# Altium PCB BEAGLEPLAYV020_220915.brd.PcbDoc (part 3 of 12)
Units mm, origin at the board's own origin, x right, y up, seen from the top; angles counter-clockwise.
Board outline 80 x 80 mm, 8 copper layers (TOP, LYR2_GND, LYR3, LAY4_PWR1, LAY5_PWR2, LAY6, LYR7_GND, BOTTOM), stack 1.545 mm thick; 782 components, 546 nets, 2864 pads, 2056 vias.
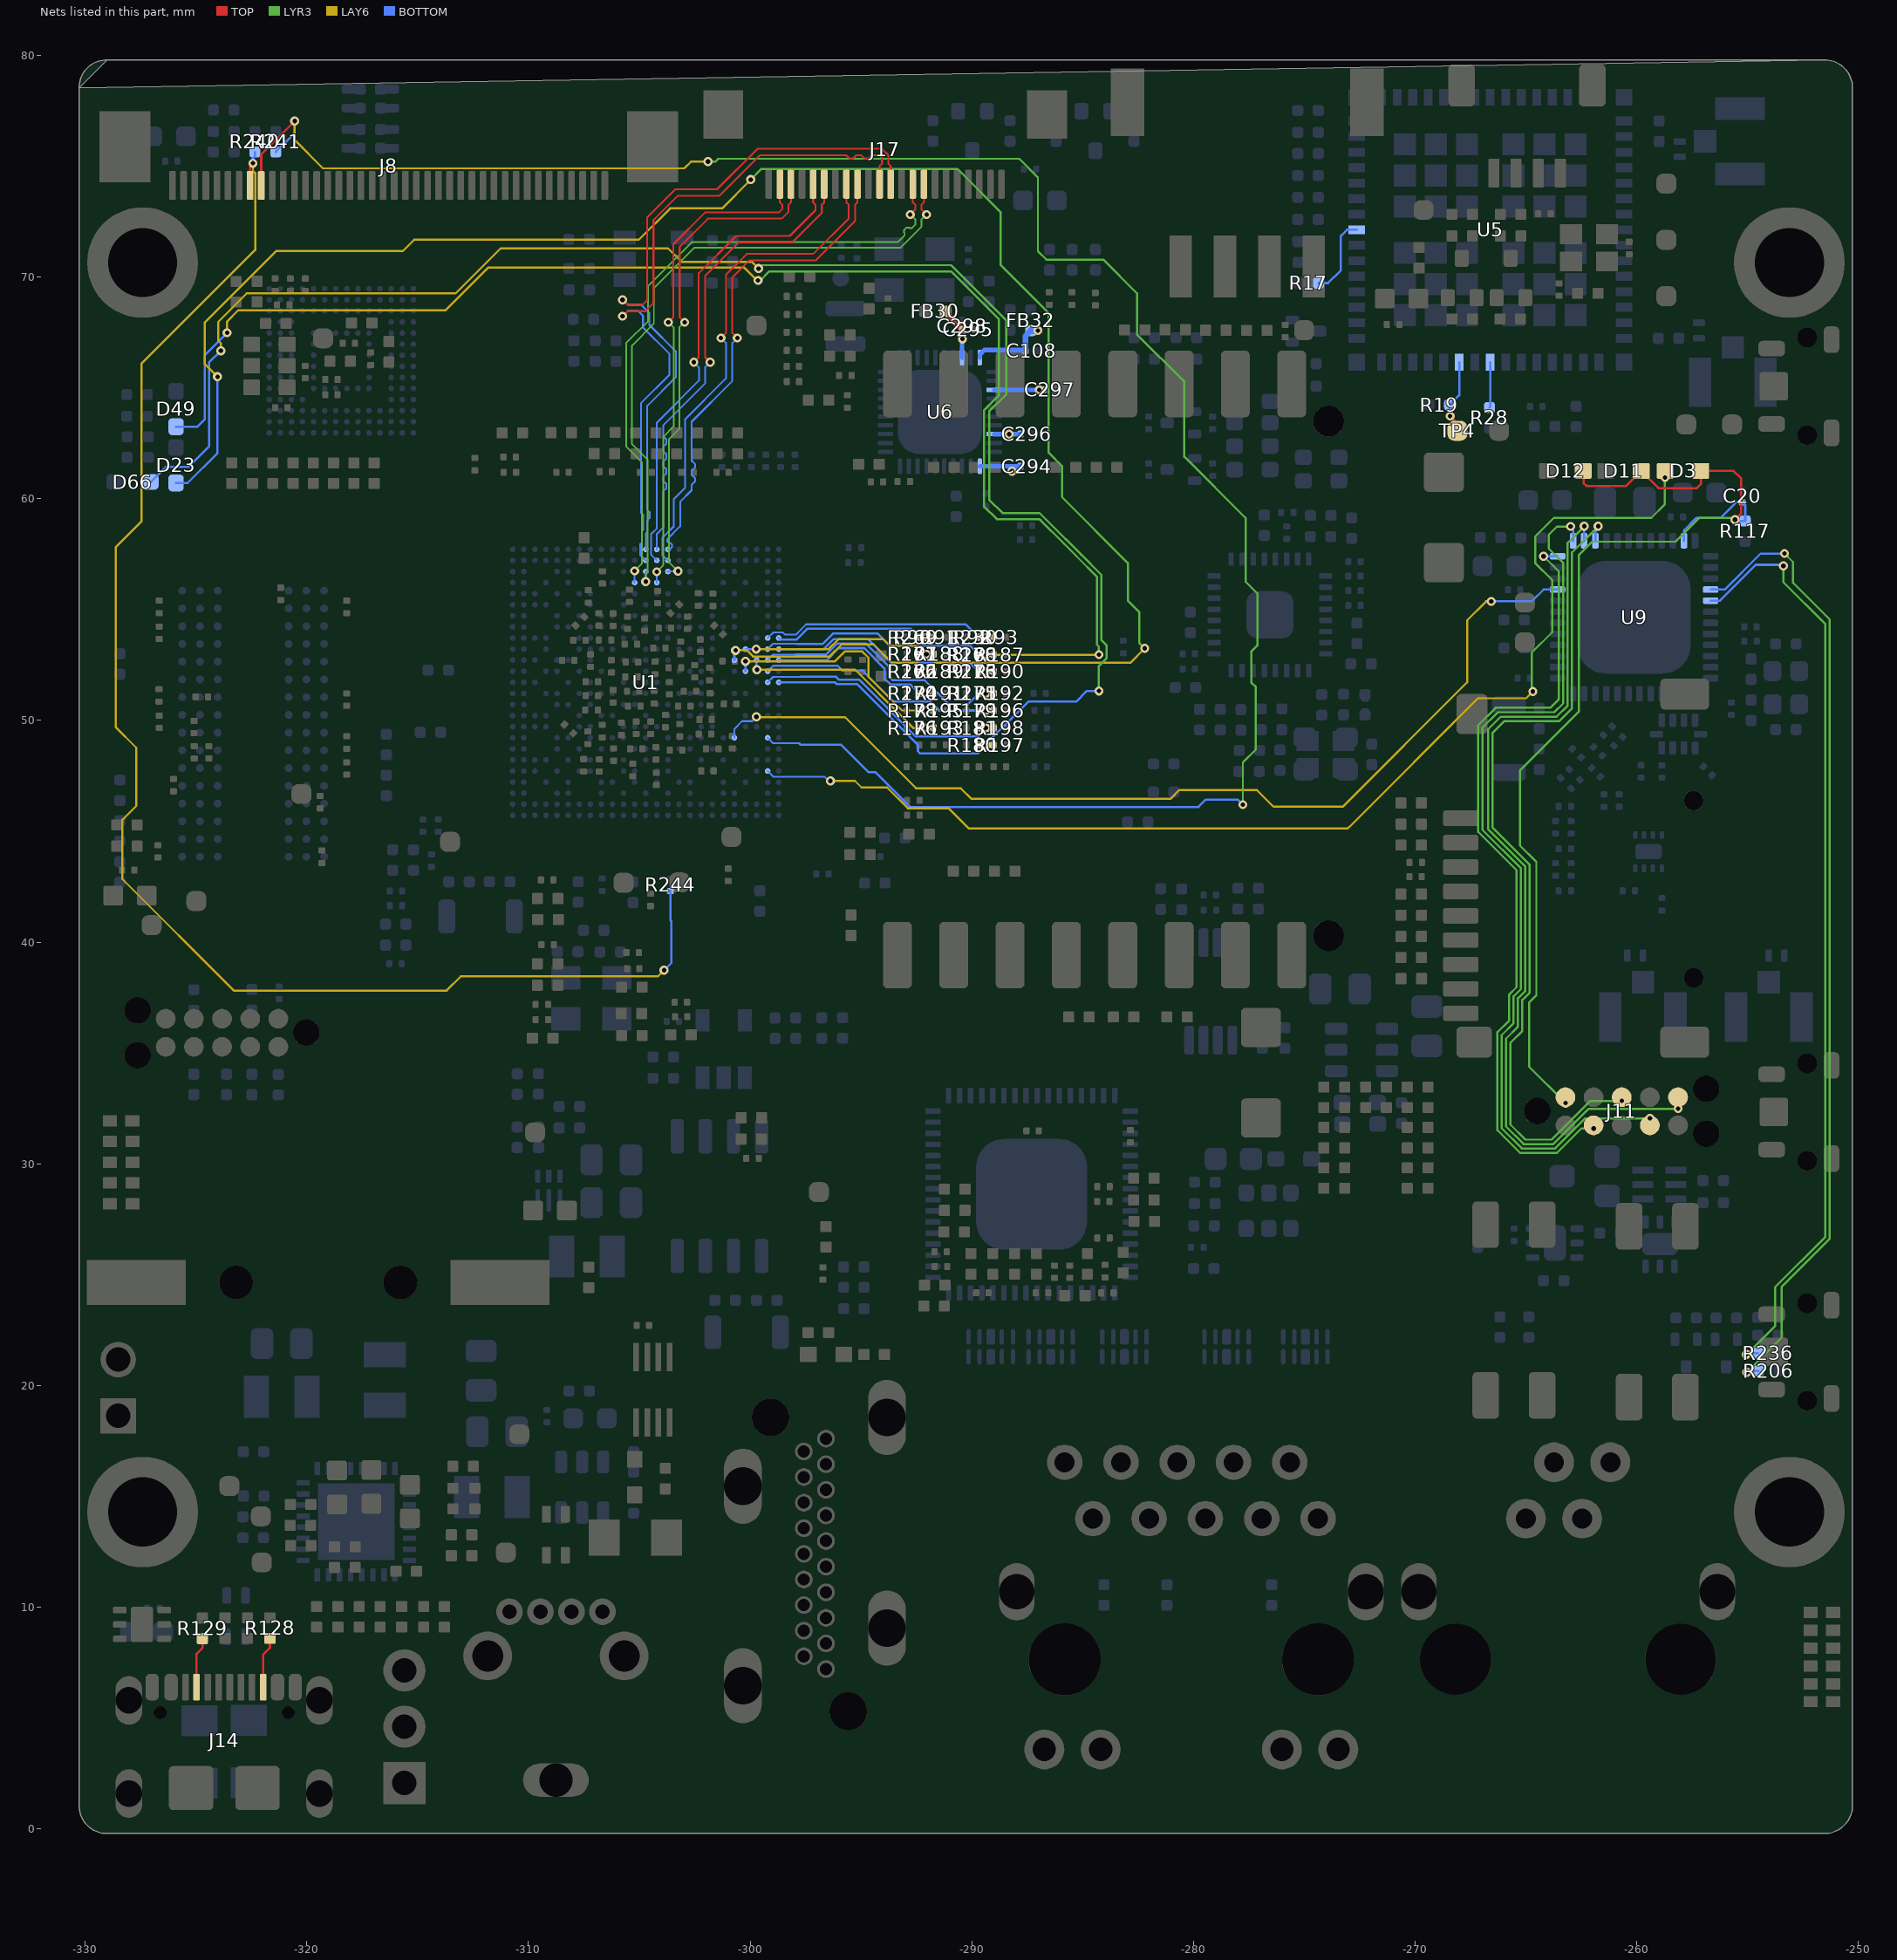
[diagram p9: the nets of this part, all layers, seen from the top]

## Footprints (in the part's own frame and the unit in brackets; to place one, negate y for a bottom-side part, rotate by r counter-clockwise, add the part's x,y. Pads: shape width x height; smd on the part's side, far side on the other; paste and mask are expansions set on the pad) (continued)
HDMI19P_1D155_23_1X7_7X16_4MM [mil] "HDMI19P_1D155_23_1X7_7X16_4MM"
  round 31.5 hole 21.65: 1(19.69,-45.2) 2(-19.69,-22.44) 3(19.69,0.28) 4(-19.69,23.03) 5(19.69,45.75) 6(-19.69,68.5) 7(19.69,91.22) 8(-19.69,113.98) 9(19.69,136.69) 10(-19.69,159.45) 11(19.69,182.17) 12(-19.69,204.92) 13(19.69,227.64) 14(-19.69,250.39) 15(19.69,273.11) 16(-19.69,295.87) 17(19.69,318.58) 18(-19.69,341.34) 19(19.69,364.06)
  oval 66.93x133.86 hole 66.93 slot 133.86 at 90 deg: 20(-127.95,-74.72) 21(-127.95,279.61) 22(127.95,27.64) 23(127.95,401.65)
  round 66.93 hole 66.93 unplated: ""(-78.74,401.65) ""(59.06,-120)
  Multi-Layer keep-out region: 102.29,-120 100.82,-108.81 96.5,-98.38 89.63,-89.43 80.67,-82.56 70.25,-78.24 59.06,-76.77 47.87,-78.24 37.44,-82.56 37.44,-82.56 28.48,-89.43 21.61,-98.38 17.29,-108.81 15.82,-120 17.29,-131.19 21.61,-141.62 28.48,-150.57 37.44,-157.44 37.44,-157.44 47.87,-161.76 59.06,-163.23 70.25,-161.76 80.67,-157.44 89.63,-150.57 96.5,-141.62 100.82,-131.19 102.29,-120
  Multi-Layer keep-out region: -35.5,401.65 -36.97,412.84 -41.29,423.27 -48.16,432.23 -57.12,439.1 -67.55,443.42 -78.74,444.89 -89.93,443.42 -100.36,439.1 -100.36,439.1 -109.32,432.23 -116.19,423.27 -120.51,412.84 -121.98,401.65 -120.51,390.46 -116.19,380.03 -109.32,371.08 -100.36,364.21 -100.36,364.21 -89.93,359.89 -78.74,358.41 -67.55,359.89 -57.12,364.21 -48.16,371.08 -41.29,380.03 -36.97,390.46 -35.5,401.65
  silkscreen extent -152,-455 152,455
HEADER2P_2D54_DIP [mm] "HEADER2P_2D54_DIP"
  rect 1.6x1.6 / inner round 1.6 / far side rect 1.6x1.6 hole 1.1: 1(0,1.27)
  round 1.6 hole 1.1: 2(0,-1.27)
  silkscreen extent -1.27,-2.54 1.27,2.54, body extent -1.27,-2.54 1.27,2.54, height 3.81
HEADER3P_2D54_DIP [mm] "HEADER3P_2D54_DIP"
  rect 1.905x1.905 hole 1.1: 1(0,2.54)
  round 1.905 hole 1.1: 2(0,0) 3(0,-2.54)
  silkscreen extent -1.27,-3.81 1.27,3.81, body extent -1.27,-3.81 1.27,3.81, height 3.81
JST4P_1D0_6_5X4_35X3_1MM [mm] "JST4P_1D0_6_5X4_35X3_1MM"
  rrect20% 0.5x1.3 smd: 1(-1.564,2.54) 2(-0.564,2.54) 3(0.437,2.54) 4(1.437,2.54)
  rrect33% 1.2x1.9 smd: 5(-3.013,-1.41) 6(2.886,-1.41)
  silkscreen extent -3.31,-2.16 3.19,3.68, body extent -3.24,-2.16 3.24,2.16, height 3.81
JST4P_SMD_2_0_90D [mil] "JST4P_SMD_2_0_90D"
  rect 40x110 smd: 1(-118.11,-182.5) 2(-39.37,-182.5) 3(39.37,-182.5) 4(118.11,-182.5)
  rect 60x120 smd: 5(212.6,108.84) 6(-212.6,108.84)
  silkscreen extent -240,-228 240,180
L4P_2D54_9_2X6X5MM [mm] "L4P_2D54_9_2X6X5MM"
  rrect33% 2.1x1.2 smd: 1(-3.85,1.27) 2(-3.85,-1.27) 3(3.85,-1.27) 4(3.85,1.27)
  silkscreen extent -5.08,-3 4.6,3.43, body extent -4.57,-3.05 4.57,3.05, height 3.81
L0201#1 [mil] "L0201"
  rrect50% 12.5x11 smd: 1(0.01,-11) 2(0.01,11.01)
  silkscreen extent -10,-20 10,20, body extent -15,-10 15,10, height 150
L0201#2 [mil] "L0201"
  rrect50% 12.5x11 smd: 1(-0.01,11) 2(-0.01,-11.01)
  silkscreen extent -10,-20 10,20, body extent -15,-10 15,10, height 150
L0201#3 [mil] "L0201"
  rrect50% 11x12.5 smd: 1(11,0) 2(-11,0)
  silkscreen extent -20,-10 20,10, body extent -15,-10 15,10, height 150
L0402#1 [mm] "L0402"
  rrect20% 0.5x0.5 smd: 1(-0.463,0) 2(0.463,0)
  silkscreen extent -0.84,-0.39 0.84,0.39, body extent -0.76,-0.38 0.76,0.38, height 3.81
L0402#2 [mm] "L0402"
  rrect50% 0.5x0.5 smd: 1(0.463,0) 2(-0.463,0)
  silkscreen extent -0.84,-0.39 0.84,0.39, body extent -0.76,-0.38 0.76,0.38, height 3.81
L0402#3 [mm] "L0402"
  rrect50% 0.5x0.5 smd: 1(-0.463,0) 2(0.463,0)
  silkscreen extent -0.84,-0.39 0.84,0.39, body extent -0.76,-0.38 0.76,0.38, height 3.81
L0805 [mil] "L0805"
  rrect50% 40x55 smd: 1(-35,0) 2(35,0)
  silkscreen extent -65,-35 65,35, body extent -65,-35 65,35, height 150
L1008#1 [mil] "L1008"
  rect 45x75 smd: 1(-45,0) 2(45,0)
  silkscreen extent -80,-50 80,50, body extent -80,-50 80,50, height 150
L1008#2 [mil] "L1008"
  rect 45x75 smd: 1(45,0) 2(-45,0)
  silkscreen extent -80,-50 80,50, body extent -80,-50 80,50, height 150
L2012#1 [mm] "L2012"
  rrect25% 0.75x0.4 smd: 1(-0.925,0.425) 2(0.925,0.425) 3(0.925,-0.425) 4(-0.925,-0.425)
  silkscreen extent -1.02,-0.6 1,1.14, body extent -1.02,-0.64 1.02,0.64, height 3.81
L2012#2 [mm] "L2012"
  rrect50% 0.75x0.4 smd: 1(0.925,-0.425) 2(-0.925,-0.425) 3(-0.925,0.425) 4(0.925,0.425)
  silkscreen extent -1,-1.14 1.02,0.6, body extent -1.02,-0.64 1.02,0.64, height 3.81
L2012#3 [mm] "L2012"
  rrect50% 0.75x0.4 smd: 1(-0.925,0.425) 2(0.925,0.425) 3(0.925,-0.425) 4(-0.925,-0.425)
  silkscreen extent -1.02,-0.6 1,1.14, body extent -1.02,-0.64 1.02,0.64, height 3.81
L2016 [mil] "L2016"
  rrect50% 27.56x70.86 smd: 1(31.5,0) 2(-31.5,0)
  silkscreen extent -50,-40 50,40
LED0402 [mil] "LED0402"
  rect 25x20 smd: 1(-20,0) 2(20,0)
  TOP keep-out region: -4,-12 -4,12 4,12 4,-12
  silkscreen extent -65,-15 40,15, body extent -40,-15 40,15, height 150
MICRO_SD_ST_TF_003A_16_1X14_5MM [mil] "MICRO_SD_ST_TF_003A_16_1X14_5MM"
  rrect29% 62.98x27.56 smd: 1(-295,91.08) 2(-295,47.78) 3(-295,4.47) 4(-295,-38.84) 5(-295,-82.15) 6(-295,-125.45) 7(-295,-168.76) 8(-295,-212.07) 9(-295,-255.37)
  rrect29% 62.98x55.12 smd: 10(-271.38,-306.56)
  rrect29% 86.6x55.12 smd: 11(102.64,-306.56) 12(102.64,311.56)
  rrect29% 55.12x70.86 smd: 13(-275.31,276.12)
  round 35.43 hole 35.43 unplated: ""(118.39,-192.38) ""(118.39,122.58)
  Multi-Layer keep-out region: 146.34,-192.38 145.39,-185.15 142.59,-178.41 138.15,-172.62 132.36,-168.17 125.62,-165.38 118.39,-164.43 111.15,-165.38 104.41,-168.17 104.41,-168.17 98.62,-172.62 94.18,-178.41 91.39,-185.15 90.43,-192.38 91.39,-199.62 94.18,-206.36 98.62,-212.15 104.41,-216.59 104.41,-216.59 111.15,-219.38 118.39,-220.34 125.62,-219.38 132.36,-216.59 138.15,-212.15 142.59,-206.36 145.39,-199.62 146.34,-192.38
  Multi-Layer keep-out region: 146.34,122.58 145.39,129.81 142.59,136.56 138.15,142.34 132.36,146.79 125.62,149.58 118.39,150.53 111.15,149.58 104.41,146.79 104.41,146.79 98.62,142.34 94.18,136.56 91.39,129.81 90.43,122.58 91.39,115.34 94.18,108.6 98.62,102.81 104.41,98.37 104.41,98.37 111.15,95.58 118.39,94.63 125.62,95.58 132.36,98.37 138.15,102.81 142.59,108.6 145.39,115.34 146.34,122.58
  silkscreen extent -295,-295 398,292
MIKROBUS16_2D54_25_4X22_88X8_5MM [mil] "MIKROBUS16_2D54_25_4X22_88X8_5MM"
  rrect31% 51.18x118.1 smd: 1(-315,-507.09) 2(-215,-507.09) 3(-115,-507.09) 4(-15,-507.09) 5(85,-507.09) 6(185,-507.09) 7(285,-507.09) 8(385,-507.09) 9(385,507.09) 10(285,507.09) 11(185,507.09) 12(85,507.09) 13(-15,507.09) 14(-115,507.09) 15(-215,507.09) 16(-315,507.09)
  round 55.12 hole 55.12 unplated: ""(-380.35,472.44) ""(-380.35,-440.94)
  Multi-Layer keep-out region: -415.52,-440.94 -414.32,-450.05 -410.81,-458.53 -405.22,-465.81 -397.94,-471.4 -389.46,-474.91 -380.35,-476.11 -371.25,-474.91 -362.77,-471.4 -362.77,-471.4 -355.49,-465.81 -349.9,-458.53 -346.39,-450.05 -345.19,-440.94 -346.39,-431.84 -349.9,-423.36 -355.49,-416.08 -362.77,-410.49 -362.77,-410.49 -371.25,-406.98 -380.35,-405.78 -389.46,-406.98 -397.94,-410.49 -405.22,-416.08 -410.81,-423.36 -414.32,-431.84 -415.52,-440.94
  Multi-Layer keep-out region: -415.52,472.44 -414.32,463.34 -410.81,454.86 -405.22,447.57 -397.94,441.99 -389.46,438.47 -380.35,437.27 -371.25,438.47 -362.77,441.99 -362.77,441.99 -355.49,447.57 -349.9,454.86 -346.39,463.34 -345.19,472.44 -346.39,481.54 -349.9,490.02 -355.49,497.31 -362.77,502.9 -362.77,502.9 -371.25,506.41 -380.35,507.61 -389.46,506.41 -397.94,502.9 -405.22,497.31 -410.81,490.02 -414.32,481.54 -415.52,472.44
  silkscreen extent -466,-500 435,500, body extent -485,-500 485,500, height 150
PTH_3_125MM_5 [mm] "PTH_3_125MM_5"
  round 5 hole 3.125: 1(0,0)
QFN32_5X5MM_TPS65219 [mm] "QFN32_5X5MM_TPS65219"
  rect 0.6x0.25 smd: 1(-2.4,1.75) 2(-2.4,1.25) 3(-2.4,0.75) 4(-2.4,0.25) 5(-2.4,-0.25) 6(-2.4,-0.75) 7(-2.4,-1.25) 8(-2.4,-1.75) 17(2.4,-1.75) 18(2.4,-1.25) 19(2.4,-0.75) 20(2.4,-0.25) 21(2.4,0.25) 22(2.4,0.75) 23(2.4,1.25) 24(2.4,1.75)
  rect 0.25x0.6 smd: 9(-1.75,-2.4) 10(-1.25,-2.4) 11(-0.75,-2.4) 12(-0.25,-2.4) 13(0.25,-2.4) 14(0.75,-2.4) 15(1.25,-2.4) 16(1.75,-2.4) 25(1.75,2.4) 26(1.25,2.4) 27(0.75,2.4) 28(0.25,2.4) 29(-0.25,2.4) 30(-0.75,2.4) 31(-1.25,2.4) 32(-1.75,2.4)
  rect 3.45x3.45 smd: 33(0,0)
  silkscreen extent -3.17,-2.72 2.72,3.17, body extent -2.54,-2.54 2.54,2.54, height 3.81
QFN40_0D4_5X5MM [mm] "QFN40_0D4_5X5MM"
  rrect50% 0.7x0.2 smd: 1(-2.45,1.8) 2(-2.45,1.4) 3(-2.45,1) 4(-2.45,0.6) 5(-2.45,0.2) 6(-2.45,-0.2) 7(-2.45,-0.6) 8(-2.45,-1) 9(-2.45,-1.4) 10(-2.45,-1.8) 21(2.45,-1.8) 22(2.45,-1.4) 23(2.45,-1) 24(2.45,-0.6) 25(2.45,-0.2) 26(2.45,0.2) 27(2.45,0.6) 28(2.45,1) 29(2.45,1.4) 30(2.45,1.8)
  rrect50% 0.2x0.7 smd: 11(-1.8,-2.45) 12(-1.4,-2.45) 13(-1,-2.45) 14(-0.6,-2.45) 15(-0.2,-2.45) 16(0.2,-2.45) 17(0.6,-2.45) 18(1,-2.45) 19(1.4,-2.45) 20(1.8,-2.45) 31(1.8,2.45) 32(1.4,2.45) 33(1,2.45) 34(0.6,2.45) 35(0.2,2.45) 36(-0.2,2.45) 37(-0.6,2.45) 38(-1,2.45) 39(-1.4,2.45) 40(-1.8,2.45)
  rrect50% 3.8x3.8 smd: 41(0,0)
  silkscreen extent -2.92,-2.5 2.5,2.92, body extent -2.54,-2.54 2.54,2.54, height 3.81
QFN48_0D5_7X7MM [mm] "QFN48_0D5_7X7MM"
  rrect50% 0.7x0.3 smd: 1(3.45,-2.75) 2(3.45,-2.25) 3(3.45,-1.75) 4(3.45,-1.25) 5(3.45,-0.75) 6(3.45,-0.25) 7(3.45,0.25) 8(3.45,0.75) 9(3.45,1.25) 10(3.45,1.75) 11(3.45,2.25) 12(3.45,2.75) 25(-3.45,2.75) 26(-3.45,2.25) 27(-3.45,1.75) 28(-3.45,1.25) 29(-3.45,0.75) 30(-3.45,0.25) 31(-3.45,-0.25) 32(-3.45,-0.75) 33(-3.45,-1.25) 34(-3.45,-1.75) 35(-3.45,-2.25) 36(-3.45,-2.75)
  rrect50% 0.3x0.7 smd: 13(2.75,3.45) 14(2.25,3.45) 15(1.75,3.45) 16(1.25,3.45) 17(0.75,3.45) 18(0.25,3.45) 19(-0.25,3.45) 20(-0.75,3.45) 21(-1.25,3.45) 22(-1.75,3.45) 23(-2.25,3.45) 24(-2.75,3.45) 37(-2.75,-3.45) 38(-2.25,-3.45) 39(-1.75,-3.45) 40(-1.25,-3.45) 41(-0.75,-3.45) 42(-0.25,-3.45) 43(0.25,-3.45) 44(0.75,-3.45) 45(1.25,-3.45) 46(1.75,-3.45) 47(2.25,-3.45) 48(2.75,-3.45)
  rrect50% 5.1x5.1 smd: 49(0,0)
  silkscreen extent -3.5,-3.94 3.94,3.5
QFN64_0D5_9X9MM [mm] "QFN64_0D5_9X9MM"
  rrect50% 0.7x0.25 smd: 1(-4.45,3.75) 2(-4.45,3.25) 3(-4.45,2.75) 4(-4.45,2.25) 5(-4.45,1.75) 6(-4.45,1.25) 7(-4.45,0.75) 8(-4.45,0.25) 9(-4.45,-0.25) 10(-4.45,-0.75) 11(-4.45,-1.25) 12(-4.45,-1.75) 13(-4.45,-2.25) 14(-4.45,-2.75) 15(-4.45,-3.25) 16(-4.45,-3.75) 33(4.45,-3.75) 34(4.45,-3.25) 35(4.45,-2.75) 36(4.45,-2.25) 37(4.45,-1.75) 38(4.45,-1.25) 39(4.45,-0.75) 40(4.45,-0.25) 41(4.45,0.25) 42(4.45,0.75) 43(4.45,1.25) 44(4.45,1.75) 45(4.45,2.25) 46(4.45,2.75) 47(4.45,3.25) 48(4.45,3.75)
  rrect50% 0.25x0.7 smd: 17(-3.75,-4.45) 18(-3.25,-4.45) 19(-2.75,-4.45) 20(-2.25,-4.45) 21(-1.75,-4.45) 22(-1.25,-4.45) 23(-0.75,-4.45) 24(-0.25,-4.45) 25(0.25,-4.45) 26(0.75,-4.45) 27(1.25,-4.45) 28(1.75,-4.45) 29(2.25,-4.45) 30(2.75,-4.45) 31(3.25,-4.45) 32(3.75,-4.45) 49(3.75,4.45) 50(3.25,4.45) 51(2.75,4.45) 52(2.25,4.45) 53(1.75,4.45) 54(1.25,4.45) 55(0.75,4.45) 56(0.25,4.45) 57(-0.25,4.45) 58(-0.75,4.45) 59(-1.25,4.45) 60(-1.75,4.45) 61(-2.25,4.45) 62(-2.75,4.45) 63(-3.25,4.45) 64(-3.75,4.45)
  rrect50% 5x5 smd: 65(0,0)
  silkscreen extent -4.95,-4.5 4.5,4.95, body extent -4.57,-4.57 4.57,4.57, height 3.81
R0201#1 [mil] "R0201"
  rrect36% 11x12.5 smd: 1(-11,0) 2(11,0)
  silkscreen extent -20,-10 20,10, body extent -15,-10 15,10, height 150
R0201#2 [mil] "R0201"
  rrect50% 11x12.5 smd: 1(11,0) 2(-11,0)
  silkscreen extent -20,-10 20,10, body extent -15,-10 15,10, height 150
R0201#3 [mil] "R0201"
  rrect50% 11x12.5 smd: 1(-11,0) 2(11,0)
  silkscreen extent -20,-10 20,10, body extent -15,-10 15,10, height 150
R0402#1 [mm] "R0402"
  rrect50% 0.5x0.5 smd: 1(0.463,0) 2(-0.463,0)
  silkscreen extent -0.84,-0.39 0.84,0.39
R0402#2 [mm] "R0402"
  rrect20% 0.5x0.5 smd: 1(-0.463,0) 2(0.463,0)
  silkscreen extent -0.84,-0.39 0.84,0.39, body extent -0.76,-0.38 0.76,0.38, height 3.81
R0402#3 [mm] "R0402"
  rrect50% 0.5x0.5 smd: 1(-0.463,0) 2(0.463,0)
  silkscreen extent -0.84,-0.39 0.84,0.39, body extent -0.76,-0.38 0.76,0.38, height 3.81
R1206 [mil] "R1206"
  rect 55x64 smd: 1(55.5,0) 2(-55.5,0)
  silkscreen extent -85,-40 85,40, body extent -85,-40 85,40, height 150
RJ11_6P4C_1D27_21_15X13_8X13_3 [mm] "RJ11_6P4C_1D27_21_15X13_8X13_3"
  round 1.8 hole 0.9: 2(-1.905,6.575) 3(-0.635,9.115) 4(0.635,6.575) 5(1.905,9.115)
  oval 1.6x2.6 hole 1.6 slot 2.6 at 90 deg: S1(-6.73,3.275) S2(6.73,3.275)
  round 3.2 hole 3.2 unplated: ""(-5.08,0.225) ""(5.08,0.225)
  Multi-Layer keep-out region: -3.221,0.225 -3.257,0.588 -3.363,0.936 -3.534,1.258 -3.766,1.539 -4.047,1.771 -4.369,1.942 -4.717,2.048 -5.08,2.084 -5.443,2.048 -5.791,1.942 -6.005,1.828 -6.005,1.828 -6.113,1.771 -6.394,1.539 -6.626,1.258 -6.797,0.936 -6.903,0.588 -6.939,0.225 -6.903,-0.138 -6.797,-0.486 -6.626,-0.808 -6.394,-1.089 -6.113,-1.321 -6.005,-1.378 -6.005,-1.378 -5.791,-1.492 -5.443,-1.598 -5.08,-1.634 -4.717,-1.598 -4.369,-1.492 -4.047,-1.321 -3.766,-1.089 -3.534,-0.808 -3.363,-0.486 -3.257,-0.138 -3.221,0.225
  Multi-Layer keep-out region: 6.939,0.225 6.903,0.588 6.797,0.936 6.626,1.258 6.394,1.539 6.113,1.771 5.791,1.942 5.443,2.048 5.08,2.084 4.717,2.048 4.369,1.942 4.155,1.828 4.155,1.828 4.047,1.771 3.766,1.539 3.534,1.258 3.363,0.936 3.257,0.588 3.221,0.225 3.257,-0.138 3.363,-0.486 3.534,-0.808 3.766,-1.089 4.047,-1.321 4.155,-1.378 4.155,-1.378 4.369,-1.492 4.717,-1.598 5.08,-1.634 5.443,-1.598 5.791,-1.492 6.113,-1.321 6.394,-1.089 6.626,-0.808 6.797,-0.486 6.903,-0.138 6.939,0.225
  silkscreen extent -7,-10.67 7,10.68, body extent -6.9,-10.58 6.9,10.58, height 3.81
RJ45_18P_21_23X15_93X13_3MM [mil] "RJ45_18P_21_23X15_93X13_3MM"
  round 62.99 hole 35.43: 1(-225,357.5) 2(-175,257.5) 3(-125,357.5) 4(-75,257.5) 5(-25,357.5) 6(25,257.5) 7(75,357.5) 8(125,257.5) 9(175,357.5) 10(225,257.5)
  round 70.87 hole 41.34: 11(-261.02,-152.34) 12(-161.02,-152.34) 13(161.02,-152.34) 14(261.02,-152.34)
  oval 62.99x102.36 hole 62.99 slot 102.36 at 90 deg: 15(-310.04,127.58) 16(310.04,127.58)
  round 127.95 hole 127.95 unplated: ""(-225,7.5) ""(225,7.5)
  Multi-Layer keep-out region: 300.53,7.5 299.08,22.24 294.78,36.41 287.8,49.46 278.41,60.91 266.96,70.3 253.91,77.28 239.74,81.58 225,83.03 210.26,81.58 196.09,77.28 187.39,72.63 187.39,72.63 183.04,70.3 171.59,60.91 162.2,49.46 155.22,36.41 150.92,22.24 149.47,7.5 150.92,-7.24 155.22,-21.41 162.2,-34.46 171.59,-45.91 183.04,-55.3 187.39,-57.63 187.39,-57.63 196.09,-62.28 210.26,-66.58 225,-68.03 239.74,-66.58 253.91,-62.28 266.96,-55.3 278.41,-45.91 287.8,-34.46 294.78,-21.41 299.08,-7.24 300.53,7.5
  Multi-Layer keep-out region: -150.31,7.5 -151.75,22.07 -156,36.08 -162.9,49 -172.19,60.31 -183.5,69.6 -196.42,76.5 -210.43,80.75 -225,82.19 -239.57,80.75 -253.58,76.5 -262.18,71.91 -262.18,71.91 -266.5,69.6 -277.81,60.31 -287.1,49 -294,36.08 -298.25,22.07 -299.69,7.5 -298.25,-7.07 -294,-21.08 -287.1,-34 -277.81,-45.31 -266.5,-54.6 -262.18,-56.91 -262.18,-56.91 -253.58,-61.5 -239.57,-65.75 -225,-67.19 -210.43,-65.75 -196.42,-61.5 -183.5,-54.6 -172.19,-45.31 -162.9,-34 -156,-21.08 -151.75,-7.07 -150.31,7.5
  silkscreen extent -314,-418 314,452
SMINI6-F3-B [mil] "SMINI6-F3-B"
  rect 12x37.4 smd: 1(-25.59,-29.53) 2(0,-29.53) 3(25.59,-29.53) 4(25.59,29.53) 5(0,29.53) 6(-25.59,29.53)
  silkscreen extent -55,-40 39,25, body extent -40,-25 40,25, height 150
SOD_523#1 [mil] "SOD_523"
  rrect14% 30x27.56 smd: 1(-31.5,0) 2(31.5,0)
  silkscreen extent -14,-16 14,16, body extent -25,-15 25,15, height 150
SOD_523#2 [mil] "SOD_523"
  rrect50% 30x27.56 smd: 1(31.5,0) 2(-31.5,0)
  silkscreen extent -14,-16 14,16
SOD_523#3 [mil] "SOD_523"
  rrect50% 30x27.56 smd: 1(-31.5,0) 2(31.5,0)
  silkscreen extent -14,-16 14,16, body extent -25,-15 25,15, height 150
SOIC8_1D27_4_9X3_9MM [mm] "SOIC8_1D27_4_9X3_9MM"
  rrect50% 0.6x1.55 smd: 1(-1.905,-2.7) 2(-0.635,-2.7) 3(0.635,-2.7) 4(1.905,-2.7) 5(1.905,2.7) 6(0.635,2.7) 7(-0.635,2.7) 8(-1.905,2.7)
  silkscreen extent -2.79,-2.29 2.45,1.95, body extent -2.41,-1.91 2.41,1.91, height 3.81
SON8P_150X150X50MM [mm] "SON8P_150X150X50MM"
  rrect50% 0.2x0.35 smd: 1(-0.59,-0.765) 2(-0.19,-0.765) 3(0.21,-0.765) 4(0.61,-0.765) 5(0.61,0.735) 6(0.21,0.735) 7(-0.19,0.735) 8(-0.59,0.735)
  rrect50% 1.2x0.7 smd: 9(0.01,-0.015)
  silkscreen extent -1.35,-0.89 0.91,0.43, body extent -0.91,-0.95 0.91,0.94, height 3.81
SOT23 [mil] "SOT23"
  rrect50% 40x45 smd: 1(35,42.5) 2(-35,42.5) 3(0,-37.5)
  silkscreen extent -58,-23 58,13, body extent -55,-23 55,23, height 150
SOT23-5#1 [mil] "SOT23-5"
  rect 25x40 smd: 1(37.5,51) 2(0,51) 3(-37.5,51) 4(-37.5,-51) 5(37.5,-51)
  silkscreen extent -56,-30 56,90
SOT23-5#2 [mil] "SOT23-5"
  rect 25x40 smd: 1(-37.5,-51) 2(0,-51) 3(37.5,-51) 4(37.5,51) 5(-37.5,51)
  silkscreen extent -56,-90 56,30, body extent -55,-30 55,30, height 150
SOT23_6#1 [mil] "SOT23_6"
  rrect50% 21.64x40 smd: 1(-37.4,-45) 2(0,-45) 3(37.4,-45) 4(37.4,45) 5(0,45) 6(-37.4,45)
  silkscreen extent -70,-45 57,31, body extent -55,-30 55,30, height 150
SOT23_6#2 [mil] "SOT23_6"
  rrect50% 21.64x40 smd: 1(37.4,45) 2(0,45) 3(-37.4,45) 4(-37.4,-45) 5(0,-45) 6(37.4,-45)
  silkscreen extent -57,-31 70,45, body extent -55,-30 55,30, height 150
SOT-323-3#1 [mil] "SOT-323-3"
  rrect32% 25x30 smd: 1(-25,-35) 2(26.18,-35) 3(0,35)
  silkscreen extent -40,-25 40,25
SOT-323-3#2 [mil] "SOT-323-3"
  rrect50% 25x30 smd: 1(-25,-35) 2(26.18,-35) 3(0,35)
  silkscreen extent -40,-25 40,25, body extent -40,-25 40,25, height 150
SOT_523#1 [mm] "SOT_523"
  rrect50% 0.4x0.6 smd: 1(0.5,0.62) 2(-0.5,0.62)
  rrect50% 0.5x0.6 smd: 3(0,-0.62)
  silkscreen extent -0.8,-0.4 0.8,0.4, body extent -0.76,-0.76 0.76,0.76, height 3.81
SOT_523#2 [mm] "SOT_523"
  rrect50% 0.4x0.6 smd: 1(-0.5,-0.62) 2(0.5,-0.62)
  rrect50% 0.5x0.6 smd: 3(0,0.62)
  silkscreen extent -0.8,-0.4 0.8,0.4, body extent -0.76,-0.76 0.76,0.76, height 3.81
TP30C_SMD [mil] "TP30C_SMD"
  round 30 smd: 1(0,0)
  body extent -16,-16 16,16, height 150
TP35S_SMD [mm] "TP35S_SMD"
  rrect67% 0.9x0.9 smd: 1(0,0)
  body extent -0.46,-0.46 0.46,0.46, height 3.81
U-FL3P-SMD-2_6X2_6X1_0MM#1 [mil] "U-FL3P-SMD-2_6X2_6X1_0MM"
  rect 40x40 smd: 1(52.01,0)
  rect 88x40 smd: 2(-10,58.07) 3(-10,-58.07)
  TOP keep-out region: -59,38 -59,-38 40,-38 40,38
  TOP keep-out region: -54.09,77.95 -54.09,38.19 34.09,38.19 34.09,77.95
  TOP keep-out region: -54.09,-38.19 -54.09,-77.95 34.09,-77.95 34.09,-38.19
  TOP keep-out region: 32.13,20.08 32.13,-20.08 71.89,-20.08 71.89,20.08
  silkscreen extent -73,-51 41,51, body extent -80,-85 80,85, height 150
U-FL3P-SMD-2_6X2_6X1_0MM#2 [mil] "U-FL3P-SMD-2_6X2_6X1_0MM"
  rect 40x40 smd: 1(-52.01,0)
  rect 88x40 smd: 2(10,-58.07) 3(10,58.07)
  TOP keep-out region: 59,-38 59,38 -40,38 -40,-38
  TOP keep-out region: 54.09,-77.95 54.09,-38.19 -34.09,-38.19 -34.09,-77.95
  TOP keep-out region: 54.09,38.19 54.09,77.95 -34.09,77.95 -34.09,38.19
  TOP keep-out region: -32.13,-20.08 -32.13,20.08 -71.89,20.08 -71.89,-20.08
  silkscreen extent -41,-51 73,51, body extent -80,-85 80,85, height 150
U_8_DCU [mil] "U_8_DCU"
  rect 10x50 smd: 1(-29.5,-58) 2(-9.8,-58) 3(9.8,-58) 4(29.5,-58) 5(29.5,58) 6(9.8,58) 7(-9.8,58) 8(-29.5,58)
  silkscreen extent -60,-65 42,48
USB2_0_TYPE_C [mm] "USB2_0_TYPE_C"
  rrect33% 1.2x0.3 smd: A5(3.733,1.313) A6(3.733,0.313) A7(3.733,-0.186) A8(3.733,-1.186) B5(3.733,-1.687) B6(3.733,-0.687) B7(3.733,0.814) B8(3.733,1.814)